# Altium PCB PCB1.PcbDoc (part 2 of 2)
Units mm, origin at the board's own origin, x right, y up, seen from the top; angles counter-clockwise.
Board outline 100.7 x 52.2 mm, 2 copper layers (Top Layer, Bottom Layer); 142 components, 119 nets, 501 pads, 92 vias.
Unrouted connection lines stored in the file: 86.
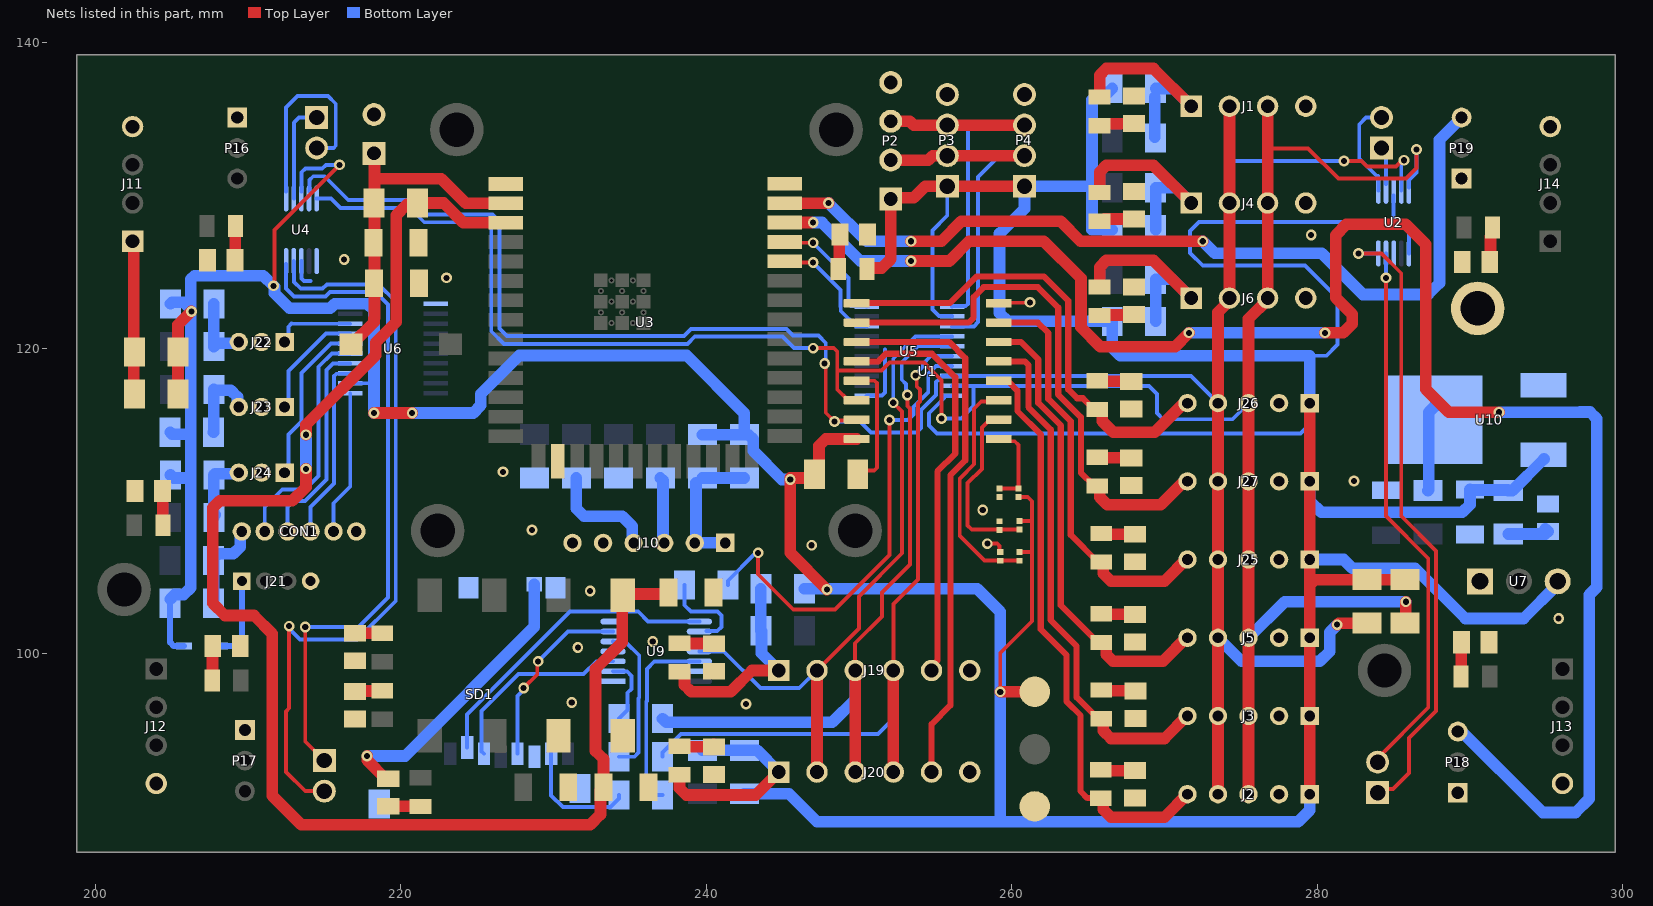
[diagram p2: the nets of this part, all layers, seen from the top]

## Via types
v1: diameter 0.7, hole 0.4, Top Layer to Bottom Layer, 92 vias

## Nets (pads, with @x,y where several pads share a name; then routed paths per layer and width w, separated by ;. In a path a pad name is that pad's centre, name@x,y a point inside that pad or via, vN(x,y) a via of type N, cw(c..) or ccw(c..) an arc to the next point about the centre after c; other vN are vias at no path point) (continued)
38: P18.3 U3.38 | length 114.8
  Top Layer w0.762: U3.38@245.15,128.22 v1@246.88,128.22 ; v1(253.4,125.7) 255.9,125.7 257.2,127 262.1,127 264.532,124.568 264.532,121.368 265.8,120.1 270.7,120.1 v1(271.6,121) ; v1(280.5,121) 281.7,121 282.284,121.584 282.284,122.216 281.2,123.3 281.2,127.4 281.9,128.1 285.8,128.1 287.1,126.8 287.1,117.3 288.6,115.8 v1(291.9,115.8)
  Bottom Layer w0.762: v1(247,128.22) 247.58,128.22 250.1,125.7 v1(253.4,125.7) ; v1(271.6,121) v1(280.5,121) ; P18.3@289.2,95.15 294.75,89.6 296.9,89.6 297.8,90.5 297.8,103.85 298.3,104.35 298.3,115.376 297.854,115.822 297.222,115.822 297.2,115.8 v1(291.9,115.8)
39: P19.3 U3.39 | length 58.2
  Top Layer w0.762: U3.39@245.15,129.49 247.99,129.49 v1(248,129.5) ; v1(253.4,127) 255.4,127 256.7,128.3 263.2,128.3 264.5,127 v1(272.5,127)
  Bottom Layer w0.762: v1(248,129.5) 250.5,127 v1(253.4,127) ; v1(272.5,127) 273.3,126.2 280.3,126.2 282.984,123.516 287.25,123.516 288,124.266 288,133.65 P19.3@289.45,135.1
+5: C1.2 D1.C J2.1 J3.1 J5.1 J25.1 J26.1 J27.1 P2.1 P3.1 P4.1 R1.2 R7.2 R17.2 R18.2 R32.1 T1.1 U1.16 U2.1 U2.8 U4.8 U5.2 U5.10 U6.2 U6.10 U7.3 U10.3 W2.2 W4.2 W6.2 W8.2 W9.2 W14.2 W15.2 W16.2 W17.2 W22.2 W24.2 W25.2 W26.2 W30.2 W31.2 W42.2 | length 417.8
  Top Layer w0.254: v1(211.674,124.076) 211.734,124.136 211.734,127.734 v1(216,132) ; v1(259.25,97.5) 259.25,100.05 261.319,102.119 261.319,109.981 261.05,110.25 W17.2@260.45,110.25 ; W15.2@260.5,106.65 261.3,106.65 ; W16.2@260.5,108.681 261.3,108.681
  Top Layer w0.762: W30.2@205.421,117 W31.2@205.421,119.75 205.421,121.521 v1(206.3,122.4) ; v1(218.25,115.75) v1(220.75,115.75) ; v1(247.9,104.2) 245.5,106.6 v1(245.5,111.403) 245.5,111.5 246.829,111.5 R7.2@247.079,111.75 247.383,112.054 247.383,113.609 247.829,114.055 U1.16@249.85,114.055 ; R32.1@250.52,125.181 250.589,125.25 251.5,125.25 252.081,125.831 P2.1@252.081,129.77 252.161,129.85 253.581,129.85 254.331,130.6 P3.1@255.781,130.6 P4.1@260.831,130.6 ; v1(259.25,97.5) T1.1@261.499,97.5 ; J2.1@279.5,90.8 J3.1@279.5,95.92 J5.1@279.5,101.04 279.5,104.5 ; J26.1@279.5,116.4 J27.1@279.5,111.28 J25.1@279.5,106.16 279.5,104.5 ; R17.2@285.75,104.842 R18.2@283.25,104.842 279.842,104.842 279.5,104.5
  Bottom Layer w0.254: U4.8@213.516,130.25 213.516,131.516 213.758,131.758 214.865,131.758 215.107,132 v1(216,132) ; U6.2@216.7,117.7 217.876,117.7 218.25,118.074 ; P3.1@255.781,130.6 255.781,128.681 254.8,127.7 254.8,122.536 255.238,122.098 256.077,122.098 U5.2@256.1,122.075 ; U5.10@256.1,116.875 255.577,116.875 255.554,116.852 255.554,116.72 254.573,115.739 254.573,115.636 254.573,114.937 255.1,114.41 278.91,114.41 279.5,115 J26.1@279.5,116.4 ; 279.5,119.5 280.6,119.5 281.327,120.227 281.327,123.273 279.2,125.4 272.5,125.4 271.673,126.227 271.673,127.673 272.25,128.25 285.149,128.25 ; U2.8@285,130 285,128.399 285.149,128.25 ; U2.1@286,126.2 286,128 285.75,128.25 285.149,128.25
  Bottom Layer w0.4: W14.2@204.908,103.57 W14.2@204.908,103.3 204.908,100.734 205.142,100.5 D1.C@205.81,100.5
  Bottom Layer w0.762: W14.2@204.908,103.57 205.212,103.874 205.804,103.874 206.25,104.32 206.25,111.5 ; W25.2@204.908,114.5 205.033,114.375 206.25,114.375 ; W26.2@204.929,111.7 205.129,111.5 206.25,111.5 ; W24.2@204.929,122.9 205.029,123 205.804,123 v1@206.25,122.554 ; v1(218.25,115.75) 218.25,118.074 218.25,122.462 217.804,122.908 215.69,122.908 215.382,122.6 212.723,122.6 211.739,123.584 211.739,124.011 v1(211.674,124.076) 211,124.75 206.5,124.75 206.25,124.5 v1@206.25,122.554 ; v1(220.75,115.75) 224.75,115.75 225.25,116.25 225.25,117 227.766,119.516 238.734,119.516 242.5,115.75 W42.2@242.5,114.342 ; W22.2@239.75,114.342 W42.2@242.5,114.342 ; W9.2@242.5,90.828 245.422,90.828 247.25,89 259.25,89 ; v1(245.5,111.403) 244.955,111.403 243.074,113.284 243.074,114.038 242.77,114.342 W42.2@242.5,114.342 ; W2.2@246.421,104.25 257.75,104.25 259.25,102.75 v1(259.25,97.5) 259.25,89 ; W6.2@266.579,127.75 265.25,127.75 265.25,130.6 ; W4.2@266.579,137 266.329,136.75 265.75,136.75 265.25,136.25 265.25,130.6 ; J2.1@279.5,90.8 279.5,89.75 278.75,89 259.25,89 ; J25.1@279.5,106.16 281.74,106.16 282.3,105.6 286.4,105.6 289.7,102.3 293.5,102.3 295.74,104.54 U7.3@295.74,104.735 ; J27.1@279.5,111.28 279.506,111.274 279.506,109.994 280.25,109.25 289.5,109.25 290,109.75 C1.2@290,110.75 ; J26.1@279.5,116.4 279.5,119.5 267.1,119.5 266.579,120.021 W8.2@266.579,121.75 259.75,121.75 259.2,122.3 259.2,127.5 260.831,129.131 P4.1@260.831,130.6 265.25,130.6 ; C1.2@290.04,110.71 292.461,110.71 R1.2@292.5,110.671 292.77,110.671 U10.3@294.84,112.741 ; 206.25,111.5 206.25,114.375 ; 206.25,114.375 v1@206.25,122.554
Card_Detect: D17.C SD1.9 | length 19.4
  Top Layer w0.762: v1(217.8,93.3) 217.8,93.013 219.008,91.806 D17.C@219.183,91.806
  Bottom Layer w0.762: v1(217.8,93.3) 220.3,93.3 228.75,101.75 SD1.9@228.75,104.535
EN: C5.1 C9.2 R2.1 SW5.1 U3.3 | length 97.5
  Top Layer w0.762: v1(213.803,112.1) 213.803,110.903 212.9,110 208.146,110 207.7,109.554 207.7,103.3 208.5,102.5 210.4,102.5 211.6,101.3 211.6,90.7 213.5,88.8 232.4,88.8 233.076,89.476 233.076,91.051 C9.2@233.275,91.25 233.275,93.105 232.75,93.63 232.75,99 234.5,100.75 SW5.1@234.5,103.814 ; v1(213.803,114.331) 213.803,114.99 218.357,119.543 218.357,120.37 219.7,121.713 219.7,128.7 220.4,129.4 220.992,129.4 R2.1@221.092,129.5 222.813,129.5 224.103,128.21 U3.3@226.875,128.21 ; SW5.1@234.544,103.814 234.637,103.907 237.432,103.907 C5.1@237.525,104
  Bottom Layer w0.762: v1(213.803,112.1) v1(213.803,114.331)
GND: C1.1 C2.1 C3.1 C4.1 C5.2 C8.1 C9.1 CON1.6 D2.C D5.C D6.C D7.C D8.C D9.C D11.C D12.C D13.C D14.C D15.C D18.C D19.C D20.C D21.C D22.C D23.C D24.C D25.C D26.C J1.4 J2.2 J3.2 J4.4 J5.2 J6.4 J10.5 J10.6 J11.4 J12.4 J13.4 J14.4 J19.6 J20.6 J21.4 J22.2 J23.2 J24.2 J25.2 J26.2 J27.2 P1.2 P2.4 P3.4 P4.4 P16.1 P17.1 P18.1 P19.1 pad.M2@290.5,122.6 R5.1 R6.1 SD1.6 SD1.10 SD1.11 SD1.12 SD1.13 SW4.2 SW5.2 T3.1 U1.8 U2.3 U3.1 U3.16 U3.40 U4.1 U4.3 U5.11 U6.11 U7.1 U9.1 U9.4 U9.7 U9.10 U9.13 U10.1 W18.1 W19.1 W20.1 | length 9.2
  Top Layer w0.254: v1(258.4,107.2) 259.051,107.2 259.2,107.051 259.2,106.7 W18.1@259.25,106.65 ; U1.8@259.15,122.945 259.178,122.972 261.173,122.972 v1(261.2,123)
  Bottom Layer w0.254: U4.3@213.517,125.7 213.517,124.549 213.666,124.4 214.1,124.4 ; U5.11@250.5,116.875 250.523,116.898 251.498,116.898 251.7,117.1 251.7,119.9
  other v1: 242.6,96.7 231.2,96.8 231.6,100.4 236.5,100.8 295.8,102.3 232.4,104.1 246.9,107.1 228.6,108.1 258.1,109.4 282.4,111.3 226.7,111.9 223,124.6 216.3,125.8 279.6,127.4
I2C_1: J1.1 R8.1 W3.1 W4.1 | length 13.9
  Top Layer w0.762: R8.1@265.75,136.554 265.75,137.858 266.196,138.304 269.275,138.304 J1.1@271.75,135.829
  Bottom Layer w0.762: W3.1@269.356,133.815 W4.1@269.356,136.435 ; W4.1@269.421,137 270.579,137 J1.1@271.75,135.829
I2C_2: J4.1 R9.1 W5.1 W6.1 | length 14
  Top Layer w0.762: R9.1@265.75,130.225 265.75,131.529 266.196,131.975 269.275,131.975 J4.1@271.75,129.5
  Bottom Layer w0.762: W6.1@269.421,127.75 W5.1@269.421,130.5 270.75,130.5 J4.1@271.75,129.5
I2C_3: J6.1 R10.1 W7.1 W8.1 | length 14.1
  Top Layer w0.762: R10.1@265.75,124 265.75,125.304 266.196,125.75 269.275,125.75 J6.1@271.75,123.275
  Bottom Layer w0.762: W8.1@269.421,121.75 W7.1@269.421,124.5 270.525,124.5 J6.1@271.75,123.275
I.AIN0: J15.2 U2.4 | length 35.8
  Top Layer w0.254: J15.2@283.95,93.15 287.265,96.465 287.265,106.235 284.5,109 v1(284.5,124.6)
  Bottom Layer w0.254: v1@284.5,124.4 v1(284.5,124.6) U2.4@284.5,126.2
I.AIN1: J15.1 U2.5 | length 41.4
  Top Layer w0.254: v1(282.7,126.2) 284.2,126.2 285.5,124.9 285.5,109 287.773,106.727 287.773,96.255 286,94.482 286,92.2 284.95,91.15 J15.1@283.95,91.15
  Bottom Layer w0.254: v1(282.7,126.2) U2.5@283.925,126.2
I.AIN2: J17.2 U2.6 | length 6.6
  Bottom Layer w0.254: U2.6@284,130.3 283.992,130.308 283.992,131.283 283.871,131.283 282.75,132.404 282.75,134.65 283.2,135.1 J17.2@284.2,135.1
I.AIN3: J17.1 U2.7 | length 2.4
  Bottom Layer w0.254: J17.1@284.2,133.05 284.5,132.75 U2.7@284.5,130.75
II.AIN0: J16.2 U4.4 | length 49.5
  Top Layer w0.254: v1(212.7,101.8) 212.7,96.424 212.5,96.224 212.5,92.25 213.75,91 J16.2@215,91
  Bottom Layer w0.254: v1(212.7,101.8) 212.785,101.715 212.785,101.545 213.407,100.923 217.141,100.923 219.673,103.455 219.673,123.057 218.552,124.178 215.164,124.178 214.878,123.892 213.455,123.892 213.009,124.338 213.009,125.691 U4.4@213,125.7
II.AIN1: J16.1 U4.5 | length 43.6
  Top Layer w0.254: v1(213.75,101.75) 213.75,94.25 J16.1@215,93
  Bottom Layer w0.254: 212.501,124.327 212.501,123.9 213.017,123.384 215.088,123.384 215.374,123.67 218.341,123.67 219.165,122.846 219.165,103.665 217.25,101.75 v1(213.75,101.75) ; 212.5,124.328 U4.5@212.5,125.5
II.AIN2: J18.2 U4.6 | length 13.3
  Bottom Layer w0.254: U4.6@212.5,130.25 212.5,135.75 213.25,136.5 215.25,136.5 215.75,136 215.75,133.25 215.6,133.1 J18.2@214.5,133.1
II.AIN3: J18.1 U4.7 | length 6.6
  Bottom Layer w0.254: U4.7@213,129.8 213.008,129.808 213.008,134.758 213.35,135.1 J18.1@214.5,135.1
L1: J2.5 R11.1 U1.4 | length 38.1
  Top Layer w0.4: U1.4@259.15,117.865 259.225,117.79 259.8,117.79 260.366,117.224 260.366,115.884 261.9,114.35 261.9,101.6 263.596,99.904 263.596,96.864 264.5,95.96 264.5,91 264.95,90.55 R11.1@265.85,90.55
  Top Layer w0.762: R11.1@265.85,90.55 265.881,90.55 266,90.431 266,89.8 266.5,89.3 270,89.3 J2.5@271.5,90.8
L2: J3.5 R12.1 U1.5 | length 34.3
  Top Layer w0.4: U1.5@259.15,119.135 260.85,119.135 261.084,118.901 261.084,116.141 262.554,114.671 262.554,102.196 264.25,100.5 264.25,97.135 265.685,95.7 R12.1@265.85,95.7
  Top Layer w0.762: R12.1@266,95.581 266,94.95 266.5,94.45 270,94.45 J3.5@271.5,95.95
L3: J5.5 R13.1 U1.6 | length 30.3
  Top Layer w0.4: U1.6@259.15,120.405 260.6,120.405 261.738,119.267 261.738,116.412 263.208,114.942 263.208,103.167 265.64,100.735 R13.1@265.85,100.735
  Top Layer w0.762: R13.1@266.179,100.616 266.179,99.946 266.625,99.5 269.9,99.5 J5.5@271.5,101.1
L4: J25.5 R14.1 U1.7 | length 27.2
  Top Layer w0.4: U1.7@259.15,121.675 261.709,121.675 262.389,120.995 262.389,119.541 262.392,119.538 262.392,116.683 263.862,115.213 263.862,107.778 265.64,106 R14.1@265.85,106
  Top Layer w0.762: R14.1@265.85,106 265.881,106 266,105.881 266,105.25 266.5,104.75 270,104.75 J25.5@271.5,106.25
L5: J26.5 R15.1 U1.9 | length 30.9
  Top Layer w0.4: U1.9@249.85,122.945 255.945,122.945 257.7,124.7 262.1,124.7 263.697,123.103 263.697,120.083 263.7,120.08 263.7,117.3 264.283,116.717 264.663,116.717 265.349,116.031 R15.1@265.769,116.031
  Top Layer w0.762: R15.1@265.769,116.031 265.929,115.871 265.929,115.221 266.65,114.5 269.35,114.5 J26.5@271.25,116.4
L6: J27.5 R16.1 U1.10 | length 35.3
  Top Layer w0.4: U1.10@249.85,121.675 257.175,121.675 257.5,122 257.5,123.346 258.154,124 261.7,124 263.043,122.657 263.043,119.812 263.046,119.809 263.046,116.954 264.524,115.476 264.524,111.846 265.39,110.98 R16.1@265.6,110.98
  Top Layer w0.762: R16.1@265.75,110.881 265.75,110.25 266.25,109.75 269.75,109.75 J27.5@271.25,111.25
L.S.6: J22.1 U6.8 | length 5.1
  Bottom Layer w0.254: J22.1@212.65,120.4 212.65,121.4 212.863,121.612 212.875,121.6 U6.8@216.7,121.6
L.S.7: J23.1 U6.7 | length 7.4
  Bottom Layer w0.254: J23.1@212.65,116.15 212.65,118.5 215.1,120.95 U6.7@216.7,120.95
L.S.8: J24.1 U6.6 | length 10.9
  Bottom Layer w0.254: J24.1@212.65,111.85 212.65,114.348 213.5,115.198 213.5,118.369 215.431,120.3 U6.6@216.7,120.3
L.S.9: CON1.2 U6.5 | length 15.6
  Bottom Layer w0.254: CON1.2@211.1,108 211.1,109.6 212.25,110.75 213.75,110.75 214.63,111.63 214.63,118.781 215.499,119.65 U6.5@216.7,119.65
L.S.10: CON1.3 U6.4 | length 13.8
  Bottom Layer w0.254: CON1.3@212.6,108 212.6,109.6 213,110 213.742,110 215.138,111.396 215.138,118.57 215.568,119 U6.4@216.7,119
L.S.11: CON1.4 U6.3 | length 11.9
  Bottom Layer w0.254: CON1.4@214.1,108 214.1,109.6 215.646,111.146 215.646,118.18 215.793,118.327 216.677,118.327 U6.3@216.7,118.35
L.S.12: CON1.5 U6.1 | length 9.5
  Bottom Layer w0.254: CON1.5@215.6,108 215.6,109.85 216.7,110.95 U6.1@216.7,117.05
L.S.28: J1.3 J2.3 J3.3 J4.3 J5.3 J6.3 J25.3 J26.3 J27.3 R17.1 U1.14 U2.10 U4.10 U5.9 | length 155
  Top Layer w0.254: v1(247,120) 248.351,120 248.577,119.774 248.577,118.534 ; U1.14@249.85,116.595 249.275,116.595 248.577,117.293 248.577,118.534 ; v1(255.4,115.397) 255.4,117.9 254.252,119.048 251.995,119.048 251.48,118.534 248.577,118.534 ; 276.75,133.077 279.4,133.077 281.377,131.1 285.8,131.1 286.5,131.8 v1(286.5,133)
  Top Layer w0.762: J2.3@275.5,90.8 J3.3@275.5,95.92 J5.3@275.5,101.04 J25.3@275.5,106.16 J27.3@275.5,111.28 J26.3@275.5,116.4 275.5,121.919 276.75,123.169 J6.3@276.75,123.275 J4.3@276.75,129.5 276.75,133.077 J1.3@276.75,135.829 ; R17.1@285.75,102 285.8,102.05 v1(285.8,103.4)
  Bottom Layer w0.254: U4.10@214.5,129.8 215.45,129.8 216.072,129.178 220.604,129.178 221.54,128.242 225.778,128.242 225.927,128.093 225.927,121.105 226.754,120.278 238.778,120.278 239.25,120.75 245,120.75 245.75,120 v1(247,120) ; v1(255.4,115.397) 256.697,115.397 257.5,116.2 257.5,117.525 ; U5.9@256.1,117.525 257.5,117.525 ; J26.3@275.5,116.4 274.443,115.343 269.907,115.343 269.5,115.75 269.5,117 268.975,117.525 257.5,117.525 ; U2.10@286.008,130.5 286.008,131.008 286.5,131.5 v1(286.5,133)
  Bottom Layer w0.762: J5.3@275.5,101.04 277.86,103.4 v1(285.8,103.4)
L.S.29: J1.2 J2.4 J3.4 J4.2 J5.4 J6.2 J25.4 J26.4 J27.4 R18.1 U1.15 U2.9 U4.9 U5.8 | length 153.6
  Top Layer w0.254: v1(247.75,119) 247.827,118.923 247.827,115.773 v1(248.4,115.2) 248.463,115.262 249.788,115.262 U1.15@249.85,115.325 ; v1(281.75,132.25) 282.904,132.25 283.261,131.893 285.145,131.893 285.552,132.3 v1(285.673,132.3)
  Top Layer w0.762: J2.4@273.5,90.8 J3.4@273.5,95.92 J5.4@273.5,101.04 J25.4@273.5,106.16 J27.4@273.5,111.28 J26.4@273.5,116.4 273.5,122.352 274.25,123.102 J6.2@274.25,123.275 J4.2@274.25,129.5 J1.2@274.25,135.829 ; J1.2@274.25,135.904 J1.2@274.25,135.829 ; J1.2@274.325,135.904 J1.2@274.25,135.829 ; v1(281.3,101.9) 281.4,102 R18.1@283.25,102
  Bottom Layer w0.254: U4.9@214.024,130.25 214.024,131 214.274,131.25 215,131.25 216.564,129.686 220.814,129.686 221.75,128.75 226,128.75 226.472,128.278 226.472,121.278 226.964,120.786 238.536,120.786 239.008,121.258 245.21,121.258 245.218,121.25 245.25,121.25 245.673,120.827 247.343,120.827 247.827,120.343 247.827,119.077 v1(247.75,119) ; v1(248.4,115.2) 250.069,115.2 250.796,114.473 253.773,114.473 254.065,114.765 254.065,115.95 255.046,116.931 255.046,117.78 255.226,117.96 255.235,117.96 255.45,118.175 271.725,118.175 J26.4@273.5,116.4 ; J4.2@274.25,129.5 274.25,132.101 274.399,132.25 v1(281.75,132.25) ; U2.9@285.5,130.3 285.5,132.006 285.673,132.179 v1(285.673,132.3)
  Bottom Layer w0.762: J5.4@273.5,101.04 275.04,99.5 280.166,99.5 280.811,100.145 280.811,101.411 v1(281.3,101.9)
L.S.30: R21.2 U5.7 | length 30.8
  Top Layer w0.254: v1(243.4,106.6) 243.4,105.2 245.7,102.9 248.432,102.9 252,106.468 v1(252,115.3)
  Bottom Layer w0.254: R21.2@241.421,104.5 241.421,104.77 243.166,106.515 243.315,106.515 v1(243.4,106.6) ; v1(252,115.3) 253.2,115.3 253.557,115.657 253.557,116.16 254.538,117.141 254.538,118.331 255.032,118.825 U5.7@256.1,118.825
L.S.MISO: J19.2 J20.2 U5.4 U9.11 | length 43.2
  Top Layer w0.254: J19.2@247.25,98.9 250,101.65 250,103.75 252.827,106.577 252.827,115.846 v1(252.245,116.428)
  Top Layer w0.762: J20.2@247.25,92.25 J19.2@247.25,98.9
  Bottom Layer w0.254: U9.11@239.55,100.15 241.15,100.15 243.557,97.743 246.093,97.743 J19.2@247.25,98.9 ; v1(252.245,116.428) 252.245,119.308 253.7,120.762 256.087,120.762 U5.4@256.1,120.775
L.S.MOSI: J19.3 J20.3 R19.2 U5.5 | length 47.5
  Top Layer w0.254: J19.3@249.75,98.9 249.75,100.682 251.5,102.432 251.5,104 253.335,105.835 253.335,116.056 253.184,116.207 253.184,116.92 v1(253.166,116.938)
  Top Layer w0.762: J20.3@249.75,92.25 J19.3@249.75,98.9
  Bottom Layer w0.254: v1(253.166,116.938) 253.08,117.024 253.08,117.648 252.8,117.929 252.8,119.05 253.875,120.125 U5.5@256.1,120.125
  Bottom Layer w0.762: R19.2@237.142,95.75 237.392,95.5 248.25,95.5 249.75,97 J19.3@249.75,98.9
L.S.RXD0: P2.2 P3.2 P4.2 U5.3 | length 23.8
  Top Layer w0.762: P2.2@252.081,132.31 254.541,132.31 254.831,132.6 P3.2@255.781,132.6 P4.2@260.831,132.6
  Bottom Layer w0.254: U5.3@256.1,121.425 257.525,121.425 257.8,121.7 257.8,131.2 259.2,132.6 P4.2@260.831,132.6
L.S.SCK: J19.4 J20.4 R20.2 U5.6 | length 49.3
  Top Layer w0.254: J19.4@252.25,98.9 252.25,103.25 253.86,104.86 253.86,116.377 253.993,116.509 253.993,117.281 253.783,117.49 253.783,118.149 v1(253.711,118.221)
  Top Layer w0.762: J20.4@252.25,92.25 J19.4@252.25,98.9
  Bottom Layer w0.254: R20.2@237.142,93.25 237.142,93.52 238.36,94.738 251.238,94.738 252.25,95.75 J19.4@252.25,98.9 ; v1(253.711,118.221) 253.711,118.306 254.185,118.781 254.185,118.96 254.7,119.475 U5.6@256.1,119.475
L.S.TXD0: P2.3 P3.3 P4.3 U5.1 | length 22.9
  Top Layer w0.762: P2.3@252.081,134.85 253.331,134.85 253.581,134.6 P3.3@255.781,134.6 P4.3@260.831,134.6
  Bottom Layer w0.254: P3.3@255.781,134.6 256.9,134.6 257.125,134.375 257.125,122.897 256.976,122.748 256.123,122.748 U5.1@256.1,122.725
NetC3_2: C3.2 C4.2 P1.1 R2.2 S1.1 U3.2 | length 22.2
  Top Layer w0.762: S1.1@216.75,120.25 216.8,120.25 218.25,121.7 218.25,121.95 218.289,121.99 218.289,126.895 218.289,129.5 218.289,131.09 218.289,132.711 P1.1@218.25,132.75 ; 218.5,131.09 222.66,131.09 224.27,129.48 U3.2@226.875,129.48
NetCON1_1: CON1.1 W14.1 W23.1 | length 6.1
  Bottom Layer w0.762: W14.1@207.75,103.3 207.75,106.228 208.054,106.532 209.05,106.532 209.496,106.979 209.496,107.626 209.75,107.879 CON1.1@209.75,108
NetD2_A: D2.A R1.1 | length 2.9
  Bottom Layer w0.762: R1.1@292.5,107.829 294.154,107.829 294.156,107.831 294.931,107.831 D2.A@295.1,108 D2.A@294.931,108.169
NetD5_A: D5.A R26.2 | length 2.2
  Top Layer w0.762: R26.2@204.418,108.418 D5.A@204.418,110.632
NetD6_A: D6.A R8.2 | length 2.3
  Top Layer w0.762: R8.2@265.75,134.565 265.96,134.565 266.095,134.7 D6.A@268,134.7
NetD7_A: D7.A R9.2 | length 2.3
  Top Layer w0.762: R9.2@265.75,128.315 265.96,128.315 266.095,128.45 D7.A@268,128.45
NetD8_A: D8.A R10.2 | length 2.3
  Top Layer w0.762: R10.2@265.75,122.13 265.785,122.165 267.965,122.165 D8.A@268,122.2
NetD9_A: D9.A R11.2 | length 2.2
  Top Layer w0.762: R11.2@265.85,92.325 D9.A@268.019,92.325
NetD11_A: D11.A R12.2 | length 2.2
  Top Layer w0.762: R12.2@265.875,97.575 D11.A@268.044,97.575
NetD12_A: D12.A R13.2 | length 2.2
  Top Layer w0.762: R13.2@265.875,102.575 D12.A@268.044,102.575
NetD13_A: D13.A R14.2 | length 2.2
  Top Layer w0.762: R14.2@265.875,107.825 D13.A@268.044,107.825
NetD14_A: D14.A R15.2 | length 2.2
  Top Layer w0.762: R15.2@265.625,117.825 D14.A@267.794,117.825
NetD15_A: D15.A R16.2 | length 2.2
  Top Layer w0.762: R16.2@265.6,112.85 265.625,112.825 D15.A@267.794,112.825 ; D15.A@268.044,112.825 D15.A@268.069,112.8
NetD17_A: D17.A R24.2 | length 2.1
  Top Layer w0.762: D17.A@219.183,90.006 219.186,90.003 221.297,90.003 R24.2@221.3,90
NetD18_A: D18.A R25.2 | length 2.3
  Top Layer w0.762: R25.2@238.25,100.685 238.267,100.668 240.482,100.668 D18.A@240.5,100.65
NetD19_A: D19.A R27.2 | length 2.3
  Top Layer w0.762: R27.2@238.25,93.935 238.267,93.918 240.482,93.918 D19.A@240.5,93.9 ; D19.A@240.5,94.05 D19.A@240.557,93.993
NetD20_A: D20.A R28.2 | length 1.6
  Top Layer w0.762: D20.A@291.335,125.748 R28.2@291.335,127.301
NetD21_A: D21.A R29.2 | length 2.3
  Top Layer w0.762: R29.2@207.665,98.249 207.683,98.267 207.683,100.483 D21.A@207.7,100.5
NetD22_A: D22.A R30.2 | length 2.3
  Top Layer w0.762: D22.A@209.15,125.75 209.167,125.767 209.167,127.983 R30.2@209.185,128.001
NetD23_A: D23.A R31.2 | length 2.2
  Top Layer w0.762: R31.2@289.432,98.517 D23.A@289.432,100.767
NetD24_A: D24.A R32.2 | length 2.3
  Top Layer w0.762: R32.2@248.65,125.181 248.7,125.231 248.7,127.381 D24.A@248.75,127.431
NetD25_A: D25.A R33.2 | length 1.8
  Top Layer w0.762: D25.A@217,101.335 R33.2@218.79,101.335
NetD26_A: D26.A R34.2 | length 1.8
  Top Layer w0.762: D26.A@217,97.531 217.025,97.556 218.765,97.556 R34.2@218.79,97.581
NetJ10_1: J10.1 J10.2 W22.1 W42.1 | length 8.7
  Bottom Layer w0.762: W22.1@239.334,111.196 239.334,107.334 J10.2@239.25,107.25 J10.1@241.25,107.25 ; W22.1@239.75,111.5 W42.1@242.5,111.5
NetJ10_3: J10.3 R3.2 | length 4.4
  Bottom Layer w0.762: R3.2@237,111.5 237.166,111.334 237.166,107.334 J10.3@237.25,107.25
NetJ10_4: J10.4 R4.2 | length 7.3
  Bottom Layer w0.762: R4.2@231.5,111.5 231.5,109.5 232,109 234.5,109 235.166,108.334 235.166,107.334 J10.4@235.25,107.25
NetJ11_1: J11.1 W30.1 W31.1 | length 10.1
  Top Layer w0.762: J11.1@202.45,127 202.515,126.935 202.515,117.065 W30.1@202.579,117
NetJ22_3: J22.3 W24.1 W27.1 | length 4.7
  Bottom Layer w0.762: W24.1@207.771,122.9 W27.1@207.771,120.1 207.987,120.316 J22.3@209.566,120.316
NetJ23_3: J23.3 W25.1 W28.1 | length 5.2
  Bottom Layer w0.762: W25.1@207.75,114.5 207.761,114.51 207.761,117.289 W28.1@207.771,117.3 207.821,117.25 208.87,117.25 209.316,116.804 209.316,116.234 J23.3@209.4,116.15
NetJ24_3: J24.3 W26.1 W29.1 | length 4.7
  Bottom Layer w0.762: W29.1@207.771,108.905 207.771,109.021 207.85,109.1 207.771,109.179 W26.1@207.771,111.7 207.846,111.775 J24.3@209.575,111.775
NetR7_1: R7.1 U1.13 | length 8.3
  Top Layer w0.254: U1.13@249.85,117.865 251.024,117.865 251.173,117.716 251.173,112.173 251,112 250.465,112 R7.1@250.068,111.603
NetR19_1: R19.1 U9.2 | length 4.5
  Bottom Layer w0.254: U9.2@233.899,98.85 233.923,98.826 234.83,98.826 235.108,98.548 235.108,97.688 234.858,97.438 234.858,96.308 R19.1@234.3,95.75
NetR20_1: R20.1 U9.5 | length 9.9
  Bottom Layer w0.254: U9.5@233.899,100.8 233.923,100.776 234.719,100.776 235.616,99.879 235.616,97.121 235.568,97.073 235.568,93.518 235.3,93.25 R20.1@234.3,93.25
NetR21_1: R21.1 U9.9 | length 5.9
  Bottom Layer w0.254: R21.1@238.579,104.5 238.579,103.171 239,102.75 240.75,102.75 241,102.5 241,101.75 240.724,101.474 U9.9@240.006,101.474
NetR22_1: R22.1 U9.12 | length 12.9
  Bottom Layer w0.254: R22.1@237.142,90.75 236.225,90.75 236.076,90.899 236.076,96.863 236.124,96.911 236.124,99 236.6,99.476 239.526,99.476 U9.12@239.55,99.5
NetR22_2: R22.2 SD1.7 | length 8
  Bottom Layer w0.254: SD1.7@229.85,93.45 229.85,90.728 230.622,89.956 233.742,89.956 234.3,90.514 R22.2@234.3,90.75
NetSD1_2: SD1.2 U9.8 | length 20.4
  Bottom Layer w0.254: SD1.2@224.35,93.85 224.35,96.022 231.078,102.75 235.55,102.75 236.2,102.1 U9.8@239.55,102.1
NetSD1_3: SD1.3 U9.3 | length 12.8
  Bottom Layer w0.254: SD1.3@225.45,93.45 225.3,93.6 225.3,96.254 227.719,98.673 231.973,98.673 232.8,99.5 U9.3@233.899,99.5
NetSD1_5: SD1.5 U9.6 | length 12.3
  Top Layer w0.254: v1(228.05,97.75) 228.942,98.642 228.942,99.442 v1(229,99.5)
  Bottom Layer w0.254: SD1.5@227.65,93.45 227.65,97.229 228.05,97.629 v1(228.05,97.75) ; v1(229,99.5) 230.95,101.45 U9.6@233.899,101.45
NetU1_1: U1.1 W17.1 W20.2 | length 5.6
  Top Layer w0.254: U1.1@259.15,114.055 259.298,113.907 260.193,113.907 260.45,113.65 W17.1@260.45,110.812 W20.2@259.2,110.812
NetU1_2: U1.2 W16.1 W19.2 | length 11.6
  Top Layer w0.254: U1.2@259.15,115.325 258.575,115.325 258.043,114.793 258.043,112.1 257.108,111.165 257.108,108.392 257.381,108.119 W16.1@260.5,108.119
NetU1_3: U1.3 W15.1 W18.2 | length 15.1
  Top Layer w0.254: U1.3@259.15,116.595 259.055,116.5 258,116.5 257.535,116.035 257.535,112.4 256.6,111.465 256.6,107.7 258.212,106.088 W18.2@259.25,106.088 W15.1@260.5,106.088
NetU10_4: U10.4 W13.1 | length 5.8
  Bottom Layer w0.762: W13.1@287.25,110.671 287.3,110.721 287.3,115.8 U10.4@287.75,116.25
PO6: J20.5 U1.11 | length 35.6
  Top Layer w0.4: U1.11@249.85,120.405 255.895,120.405 256.954,119.346 256.954,113.1 256.954,112.654 255.98,111.68 255.98,96.621 254.75,95.391 J20.5@254.75,92.25
PO7: J19.5 U1.12 | length 27.1
  Top Layer w0.4: U1.12@249.85,119.135 251.26,119.135 251.755,119.629 254.771,119.629 256.3,118.1 256.3,113.1 255.133,111.933 255.133,99.554 254.75,99.171 J19.5@254.75,98.9
RXD0: U3.36 U5.18 | length 7.9
  Top Layer w0.254: U3.36@245.15,125.68 245.23,125.6 v1(247,125.6)
  Bottom Layer w0.254: v1(247,125.6) 248.8,123.8 248.8,122.737 248.808,122.729 248.808,122.442 249.802,121.448 250.477,121.448 U5.18@250.5,121.425
SPI_1: J19.1 R25.1 W2.1 W10.1 | length 13.9
  Top Layer w0.762: R25.1@238.25,98.815 238.46,98.815 238.579,98.696 238.579,97.946 239.025,97.5 241.6,97.5 243,98.9 J19.1@244.75,98.9
  Bottom Layer w0.762: W2.1@243.579,104.25 W10.1@243.579,101.5 243.619,101.46 243.619,100.031 J19.1@244.75,98.9
SPI_2: J20.1 R27.1 W9.1 W11.1 | length 13.8
  Top Layer w0.762: R27.1@238.25,92.065 238.25,91.196 238.696,90.75 243.25,90.75 J20.1@244.75,92.25
  Bottom Layer w0.762: W11.1@239.75,93.67 W9.1@242.5,93.67 243.33,93.67 J20.1@244.75,92.25
TXD0: U3.37 U5.20 | length 8.1
  Top Layer w0.254: U3.37@245.15,126.95 245.2,126.9 v1(247,126.9)
  Bottom Layer w0.254: v1(247,126.9) 249.316,124.584 249.316,122.9 249.468,122.748 250.477,122.748 U5.20@250.5,122.725
VBUS: D1.A J21.1 | length 5.5
  Bottom Layer w0.4: D1.A@208.19,100.5 209.266,100.5 209.6,100.834 J21.1@209.6,104.75
pads on no net: J12.1 J13.1 J14.1 SD1.1 SD1.8 U2.2 U3.15 U3.41 U3.41_10 U3.41_11 U3.41_12 U3.41_13 U3.41_14 U3.41_15 U3.41_16 U3.41_17 U3.41_18 U3.41_19 U3.41_20 U3.41_21 U4.2 U6.9 U6.12

## Polygon pours and split planes (outlines as drawn)
GND on Top Layer "TOP_Polygon" (solid, pour order 2): 198.8,139.2 198.8,87 299.5,87 299.5,139.2
GND on Bottom Layer "TOP_Polygon" (solid, pour order 0): 198.8,139.2 198.8,87 299.5,87 299.5,139.2

## Silkscreen, mask and mechanical layers (free items; w line width, h text height)
Top Overlay:
  lines w0.254: 214.4,112.1 214.6,112.1 ; 214.6,116.7 215.4,116.7 ; 214.6,120.6 215.4,120.6 215.4,113.3 ; 215.4,110.7 215.4,111 ; 216,104.3 216.8,104.3 ; 228,107.5 228.6,107.5 ; 241.8,95.2 241.1,96.1 241.9,97.1 ; 252.1,127 252.7,127 ; 252.1,127.1 252.1,128 ; 254,127 254.4,127 ; 256.4,128 256.4,128.2 ; 258.7,127 261.4,127 261.4,128 ; 263.9,96.6 264.4,96.6 ; 263.9,99.6 263.9,102.8 263.9,91.4 264.5,91.4 ; 263.9,101.6 264.4,101.6 ; 263.9,105.4 263.9,116.8 264.3,116.8 ; 263.9,106.9 264.4,106.9 ; 263.9,111.9 264.4,111.9 ; 282.3,122.7 282.8,122.7 282.8,128.1 ; 282.3,128.1 282.8,128.1 ; 282.8,130.7 282.8,128.1
  text "M1" at 202,137.454 h2
  text "V & I" at 212.2,137.462 h2
  text "Aux" at 217.1,137.462 h2
  text "V & I" at 283.2,137.462 h2
  text "M3" at 295,137.454 h2
  text "QTR-1" at 206.9,137.431 h2
  text "QTR-3" at 288,137.431 h2
  text "I2C" at 283.4,127.529 h2
  text "Serial" at 254.6,126.429 h2
  text "Chip PWR" at 216.9,116.416 h2
  text "GPIO" at 214.9,111.429 h2
  text "GND" at 259.585,111.4 h1 r90
  text "5v" at 260.687,111.4 h1 r90
  text "BEC" at 225.3,106.829 h2
  text "USB" at 217.1,103.629 h2
  text "LASER" at 260.5,103.529 h2
  text "LED-1" at 215.7,99.5 h1 r90
  text "5v" at 260.8,98.825 h2
  text "LED-2" at 215.8,95.8 h1 r90
  text "SPI" at 238.6,95.529 h2
  text "3.3v" at 260.4,95.023 h2
  text "B1" at 219.3,93.416 h2
  text "B2" at 223.4,93.416 h2
  text "EN" at 232.3,92.5 h2
  text "Boot" at 228.1,92.425 h2
  text "GND" at 260.2,91.329 h2
  text "M2" at 202.5,87.404 h2
  text "V & I" at 212.7,87.412 h2
  text "V & I" at 282.95,87.412 h2
  text "M3" at 294.75,87.404 h2
  text "QTR-2" at 207.4,87.381 h2
  text "QTR-3" at 287.75,87.381 h2
Bottom Overlay:
  lines w0.254: 202.5,107.5 203.6,106.4 ; 209.4,113.15 209.4,114.95 ; 209.4,117.4 209.4,119.2 ; 210.9,113.15 210.9,114.95 ; 210.9,117.4 210.9,119.2 ; 212.4,113.15 212.4,114.95 ; 212.4,117.4 212.4,119.2 ; 244.767,93.699 244.809,97.4 ; 247.267,93.699 247.309,97.4 ; 249.767,93.699 249.809,97.4 ; 252.267,93.699 252.309,97.4 ; 253.1,137.2 254.7,136.7 ; 253.2,132.3 254.8,132.5 ; 253.2,134.8 254.7,134.6 ; 253.3,130 254.7,130.4 ; 254.767,93.699 254.809,97.4 ; 256.8,130.6 257.3,130.6 ; 256.8,132.6 257.3,132.6 258.1,132.6 ; 256.8,134.6 257.3,134.6 258.1,134.6 ; 256.8,136.6 257.3,136.6 ; 257.267,93.699 257.309,97.4 ; 271.5,92.1 271.5,94.6 ; 271.5,97.22 271.5,99.72 ; 271.5,102.34 271.5,104.84 ; 271.5,107.46 271.5,109.96 ; 271.5,112.58 271.5,115.08 ; 271.8,124.771 271.8,128.171 ; 271.8,131.1 271.8,134.5 ; 273.5,92.1 273.5,94.6 ; 273.5,97.22 273.5,99.72 ; 273.5,102.34 273.5,104.84 ; 273.5,107.46 273.5,109.96 ; 273.5,112.58 273.5,115.08 ; 274.3,124.771 274.3,128.171 ; 274.3,131.1 274.3,134.5 ; 275.5,92.1 275.5,94.6 ; 275.5,97.22 275.5,99.72 ; 275.5,102.34 275.5,104.84 ; 275.5,107.46 275.5,109.96 ; 275.5,112.58 275.5,115.08 ; 276.8,124.771 276.8,128.171 ; 276.8,131.1 276.8,134.5 ; 277.5,92.1 277.5,94.6 ; 277.5,97.22 277.5,99.72 ; 277.5,102.34 277.5,104.84 ; 277.5,107.46 277.5,109.96 ; 277.5,112.58 277.5,115.08 ; 279.3,124.771 279.3,128.171 ; 279.3,131.1 279.3,134.5 ; 279.5,92.1 279.5,94.6 ; 279.5,97.22 279.5,99.72 ; 279.5,102.34 279.5,104.84 ; 279.5,107.46 279.5,109.96 ; 279.5,112.58 279.5,115.08
  text "Vcc" at 271.519,136.9 h1.5 r270
  text "SDA" at 273.822,136.9 h1.5 r270
  text "SCL" at 276.322,136.9 h1.5 r270
  text "GND" at 278.822,136.9 h1.5 r270
  text "5v" at 265.15,136.525 h2
  text "GND" at 259.75,136.122 h1.5
  text "IN" at 291.7,134.7 h1.5
  text "AIN" at 287.3,134.6 h1.5
  text "IN" at 208,134.5 h1.5
  text "AIN" at 213.2,134.5 h1.5
  text "GND" at 201.2,134.122 h1.5
  text "Tx" at 259.75,134.1 h1.5
  text "GND" at 298.6,134.022 h1.5
  text "3.3v" at 265.15,133.423 h2
  text "MMXXIV" at 244.6,133 h5
  text "3.3v" at 208,132.618 h1.5
  text "3.3v" at 292.761,132.618 h1.5
  text "AIN" at 287.3,132.6 h1.5
  text "AIN" at 213.2,132.5 h1.5
  text "Rx" at 259.75,132.1 h1.5
  text "IN" at 201.2,131.5 h1.5
  text "IN" at 297.428,131.4 h1.5
  text "GND" at 208,130.722 h1.5
  text "GND" at 292.8,130.622 h1.5
  text "Vcc" at 259.75,130.119 h1.5
  text "5v" at 265.15,130.025 h2
  text "IN" at 201.2,129 h1.5
  text "IN" at 297.428,129 h1.5
  text "3.3v" at 265.15,126.923 h2
  text "5v" at 201.2,126.619 h1.5
  text "NC" at 297.795,126.522 h1.5
  text "3.3v" at 265.15,123.673 h2
  text "5v" at 203.5,122.425 h2
  text "GND" at 210.422,121.7 h1.5 r270
  text "IO" at 211.922,121.7 h1.5 r270
  text "Vcc" at 208.919,121.5 h1.5 r270
  text "5v" at 265.15,121.275 h2
  text "3.3v" at 203.5,119.323 h2
  text "3.3v" at 203.5,116.523 h2
  text "5v" at 203.479,114.025 h2
  text "5v" at 203.5,111.225 h2
  text "Vcc" at 209.119,109.1 h1.5 r270
  text "IO" at 210.622,109.1 h1.5 r270
  text "IO" at 212.122,109.1 h1.5 r270
  text "IO" at 213.622,109.1 h1.5 r270
  text "IO" at 215.122,109.1 h1.5 r270
  text "GND" at 216.622,109.1 h1.5 r270
  text "3.3v" at 203.5,108.123 h2
  text "5v" at 249.993,103.625 h2
  text "3.3v" at 251.24,100.754 h2
  text "5v" at 204.2,100.525 h2
  text "NC" at 202.7,98.522 h1.5
  text "NC" at 298.445,98.422 h1.5
  text "IN" at 202.7,96 h1.5
  text "IN" at 298.078,95.9 h1.5
  text "3.3v" at 241.3,95.023 h2
  text "5v" at 243.4,95.025 h2
  text "GND" at 208.5,94.522 h1.5
  text "GND" at 292.55,94.422 h1.5
  text "IN" at 202.7,93.5 h1.5
  text "IN" at 298.078,93.4 h1.5
  text "3.3v" at 208.5,92.518 h1.5
  text "AIN" at 213.7,92.5 h1.5
  text "AIN" at 287.05,92.4 h1.5
  text "3.3v" at 292.511,92.418 h1.5
  text "GND" at 202.7,91.022 h1.5
  text "MISO" at 247.678,91.012 h1.5 r90
  text "MOSI" at 250.178,91 h1.5 r90
  text "GND" at 299.25,90.922 h1.5
  text "GND" at 257.678,90.703 h1.5 r90
  text "SCK" at 252.678,90.632 h1.5 r90
  text "VCC" at 245.178,90.6 h1.5 r90
  text "IN" at 208.5,90.5 h1.5
  text "AIN" at 213.7,90.5 h1.5
  text "AIN" at 287.05,90.4 h1.5
  text "IN" at 291.378,90.4 h1.5
  text "SS" at 255.178,90.141 h1.5 r90
  text "Xs" at 271.119,88.5 h1.5 r270
  text "Vcc" at 279.019,87.979 h1.5 r270
  text "SCL" at 275.022,87.849 h1.5 r270
  text "SD" at 225.9,87.822 h1.5
  text "SDA" at 273.022,87.7 h1.5 r270
  text "GND" at 277.022,87.639 h1.5 r270

## Text inside footprints (layer, text, board x,y; h text height)
U3: Mechanical 13 "ANTENNA" at 231.5,135 h1.27